# Altium PCB AccessControl_V1.0.1.PcbDoc (part 2 of 3) (continued)
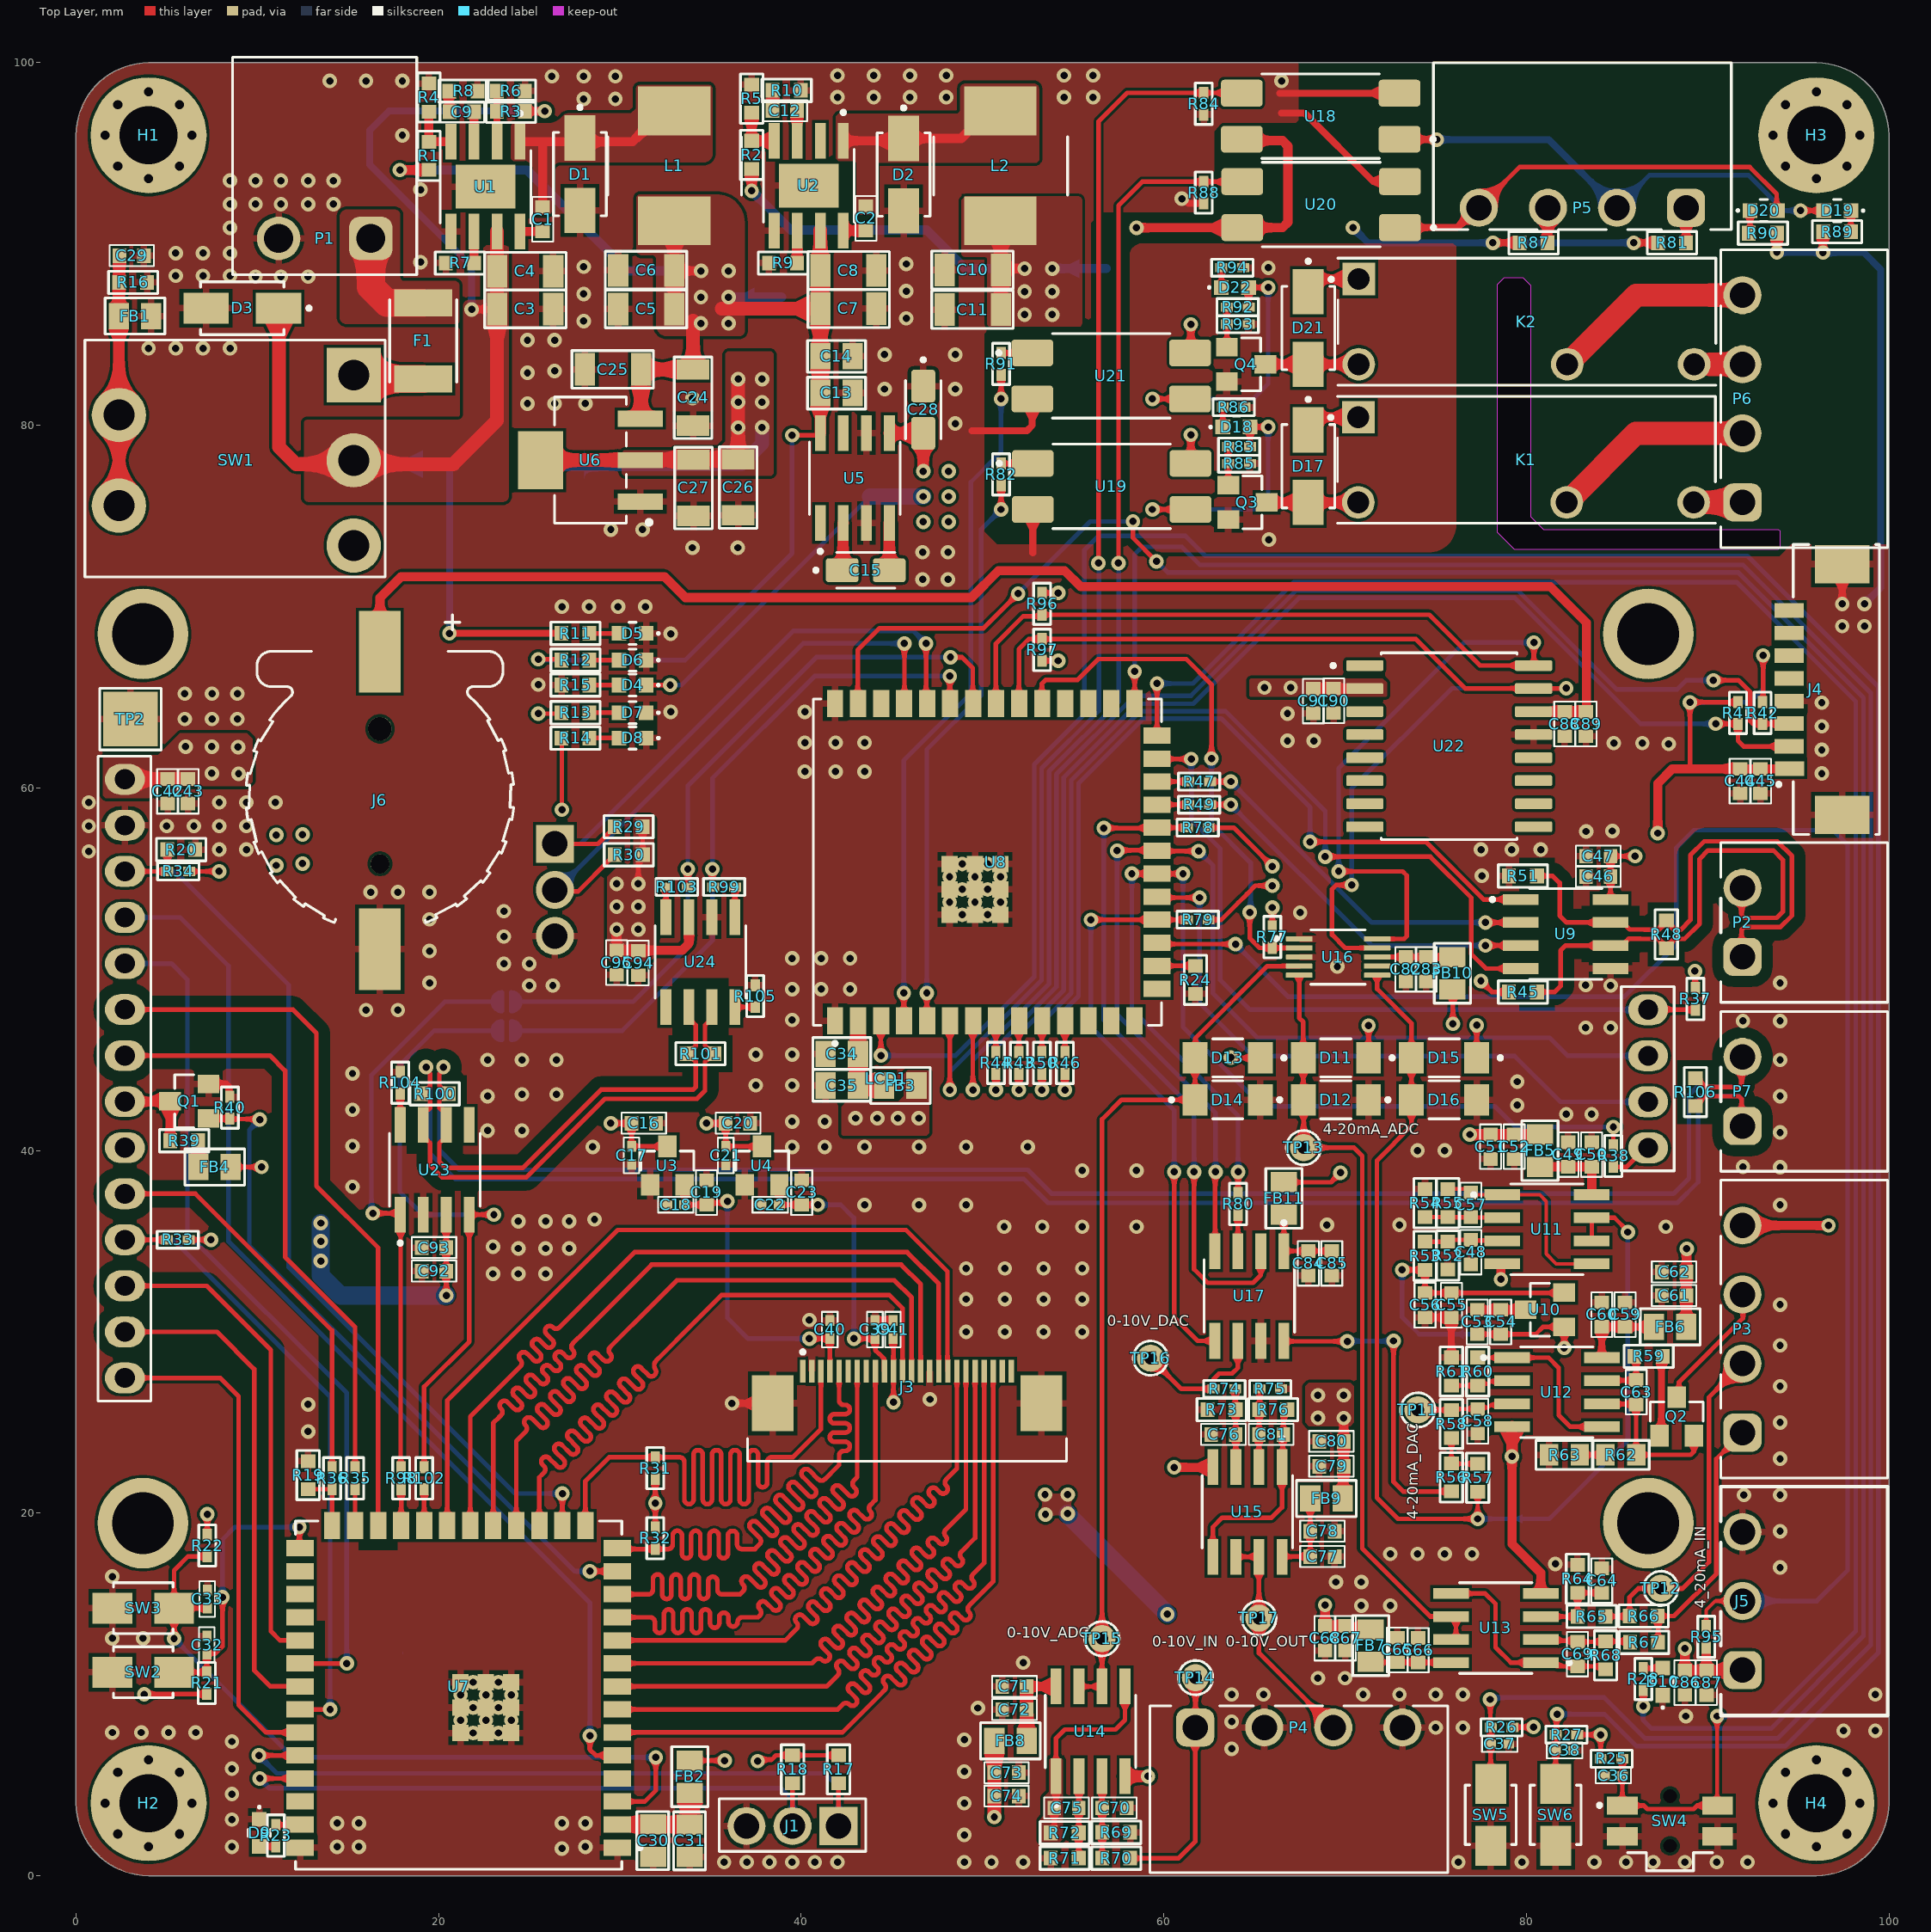
[diagram p0: Top Layer view]
## Nets (pads, with @x,y where several pads share a name; then routed paths per layer and width w, separated by ;. In a path a pad name is that pad's centre, name@x,y a point inside that pad or via, vN(x,y) a via of type N, cw(c..) or ccw(c..) an arc to the next point about the centre after c; other vN are vias at no path point) (continued)
  Top Layer w0.381: Q1.2@7.308,43.673 8.275,43.673 8.42,43.527 8.42,43.031 R40.1@8.484,42.967 ; v1(36.185,26.06) J3.SH1@38.42,26.06 ; C39.1@44.069,30.624 C41.1@45.06,30.624 ; 49.425,79.7 52.45,79.7 52.749,79.999 U21.2@52.749,81.458 ; 52.775,72.975 U19.2@52.775,75.362 ; v1(61,92.5) 61.113,92.5 61.376,92.237 R88.1@62.205,92.237 ; 66.402,98.323 U18.2@73.006,98.323 ; 66.5,97.225 67.775,97.225 71.533,93.467 73.011,93.467 U20.2@73.032,93.447 ; C56.1@74.413,30.796 C55.1@75.87,30.796 R61.1@75.87,28.588 ; C53.1@77.292,31.22 C54.1@78.588,31.22 U10.3@79.966,31.22 ; v1(93.824,89.55) R90.1@93.825,90.6 ; v1(96.368,89.532) R89.1@96.368,90.678 ; v1(97.427,70.148) J4.SH2@97.427,72.345
  GND w0.381: 65.575,71.95 65.8,72.175 v1(65.8,73.7)
  Bottom Layer w0.381: v1(93.824,89.55) v1@96.368,89.55 ; v1(96.368,89.532) 98.618,89.532 99.55,88.6 99.55,71.05 v1(98.65,70.15)
  other v1: 35.75,0.75 37,0.75 38.25,0.75 39.5,0.75 40.75,0.75 42,0.75 49,0.75 50.5,0.75 52.25,0.75 76.25,0.75 79.75,0.75 83.75,0.75 85.5,0.75 87,0.75 88.75,0.75 90.5,0.75 92.2,0.75 26.8,1.5 8.6,1.6 14.4,1.6 15.6,1.6 28.1,1.6 49,2.25 14.4,2.9 15.6,2.9 26.8,2.9 28.1,2.9 8.6,3.1 49,4 8.6,4.5 49,5.75 8.6,5.9 63.75,7 8.6,7.4 49,7.5 2,7.9 3.6,7.9 5.1,7.9 6.6,7.9 97.5,8 99.25,8 75,8.175 76.5,8.175 63.75,8.5 88.8,8.8 49.75,9.25 63.75,10 65.5,10 71,10 73,10 75,10 76.5,10 99.25,10 68.5,10.9 70,10.9 52.25,11.75 2,13.1 3.7,13.1 70.9,14.9 72.5,14.9 69.5,16.2 70.9,16.2 2,16.5 94,17 81.6,17.2 72.5,17.75 74,17.75 75.5,17.75 77,17.75 94,19 92,21 94,21 94,23 12.8,24.5 94,25 12.8,26 47.1,26.275 94,27 94,29.25 49.1,30 51.233,30 53.367,30 55.5,30 40.45,30.65 94,31.5 49.1,31.8 51.233,31.8 53.367,31.8 55.5,31.8 23,33.2 24.4,33.2 25.9,33.2 49.1,33.5 51.233,33.5 53.367,33.5 55.5,33.5 24.4,34.6 25.9,34.6 27.2,34.6 23,34.7 51.2,35.8 53.3,35.8 55.5,35.8 58.5,35.8 87.7,35.8 69,35.9 73,35.9 24.4,36.1 25.9,36.1 27.2,36.1 28.6,36.2 43.5,37 46.5,37 49.1,37 94,37 15.25,38 55.5,38.9 58.5,38.9 94,39.075 91.95,39.1 74,40 75.5,40 28.5,40.2 39.5,40.2 41.3,40.2 43.5,40.2 46.5,40.2 49.1,40.2 52.5,40.2 15.25,40.25 94,41 22.7,41.1 24.6,41.1 39.5,41.6 41.3,41.6 82.2,42 83.6,42 15.25,42.25 79.5,42.5 22.7,43 94,43 24.6,43.1 26.5,43.1 37.5,43.6 39.5,43.6 79.5,43.8 15.25,44.25 22.7,45 24.6,45 26.5,45 94,45 37.5,45.3 39.5,45.3 83.275,46.775 84.65,46.775 91.95,47.15 94,47.15 39.5,47.2 16,47.75 17.75,47.75 39.5,48.9 41.1,48.9 42.7,48.9 25,49.1 26.3,49.1 84.65,49.1 83.275,49.125 19.5,49.25 94,49.25 69.575,50.15 23.6,50.3 25,50.3 39.5,50.6 41.1,50.6 42.7,50.6 19.5,51 23.6,51.8 19.5,52.75 67.525,53.125 23.6,53.2 16.25,54.25 17.75,54.25 19.5,54.25 77.55,55.15 0.7,56.5 7.9,56.6 9.4,56.6 77.5,56.6 79.2,56.6 80.8,56.6 83.3,57.6 84.75,57.625 0.7,57.9 5,57.9 6.5,57.9 7.9,57.9 9.4,57.9 0.7,59.2 7.9,59.2 9.4,59.2 11,59.2 96.3,60.8 40.2,60.9 41.9,60.9 43.5,60.9 96.3,62.1 87.85,62.425 84.825,62.475 86.4,62.475 40.2,62.5 41.9,62.5 43.5,62.5 66.825,62.6 68.275,62.6 96.3,63.4 6,63.8 7.5,63.8 8.9,63.8 66.825,64.1 32.8,64.2 40.2,64.2 96.3,64.7 6,65.2 7.5,65.2 8.9,65.2 25.5,65.7 32.8,68.5 97.425,68.925 98.65,68.925 26.8,70 28.3,70 29.9,70 31.4,70 46.7,71.5 48.1,71.5 46.7,73 48.1,73 34,73.25 36.5,73.25 29.5,74.25 31.25,74.25 48.5,80.1 24.9,81.2 26.4,81.2 28.1,81.2 34,81.5 44.6,82 48.5,82 24.9,82.9 26.4,83 44.6,83.9 48.5,83.9 4,84.25 5.5,84.25 7,84.25 8.5,84.25 24.9,84.7 26.4,84.7 28,85.75 45.8,85.9 28,87.25 45.8,87.4 9.9,88.2 11.3,88.2 12.8,88.2 5.5,88.25 7,88.25 8.5,88.25 65.772,88.697 28,88.75 45.8,88.9 19,89 5.5,89.5 7,89.5 8.5,89.5 8.5,90.9 8.5,92.2 9.9,92.2 11.3,92.2 12.8,92.2 14.2,92.2 19,93 8.5,93.5 9.9,93.5 11.3,93.5 12.8,93.5 14.2,93.5 18,96 28,98 29.75,98 42,98.1 44,98.1 46,98.1 48,98.1 54.5,98.1 56.1,98.1 14,99 16,99 18,99 66.5,99 26.25,99.25 28,99.25 29.75,99.25 42,99.3 44,99.3 46,99.3 48,99.3 54.5,99.3 56.1,99.3
LCD_BL: LCD1.8 Q1.3 R39.1 | length 4.7
  Top Layer w0.508: LCD1.8@2.692,42.697 5.163,42.697 Q1.3@5.188,42.723 5.194,42.717 R39.1@5.194,40.538
NetC1_1: C1.1 U1.8 | length 1.2
  Top Layer w0.508: U1.8@24.494,90.692 C1.1@25.738,90.692
NetC1_2: C1.2 D1.1 L1.1 U1.1 | length 12.8
  Top Layer w0.508: U1.1@24.494,95.642 25.737,95.642 ; C1.2@25.738,92.042 25.738,95.641 25.737,95.642 ; L1.1@33.003,97.259 32.276,97.259 31.257,96.239 31.257,96.196 30.702,95.642 25.737,95.642
NetC2_1: C2.1 U2.8 | length 1.2
  Top Layer w0.508: U2.8@42.324,90.743 C2.1@43.569,90.743
NetC2_2: C2.2 D2.1 L2.1 U2.1 | length 9.3
  Top Layer w0.508: U2.1@42.324,95.693 45.517,95.693 D2.1@45.652,95.828 48.828,95.828 50.336,97.335 L2.1@50.986,97.335
NetC9_1: C9.1 R8.2 | length 1.1
  Top Layer w0.381: C9.1@20.595,97.302 20.599,97.307 20.599,98.432 R8.2@20.595,98.436
NetC9_2: C9.2 U1.3 | length 1.7
  Top Layer w0.508: U1.3@21.954,95.642 C9.2@21.954,97.293
NetC12_1: C12.1 R10.2 | length 1.1
  Top Layer w0.508: C12.1@38.424,97.358 38.425,97.359 R10.2@38.426,98.476 R10.2@38.426,98.476
NetC12_2: C12.2 U2.3 | length 1.7
  Top Layer w0.508: C12.2@39.774,97.358 39.779,97.353 39.779,95.698 U2.3@39.784,95.693
NetC15_1: C15.1 U5.2 | length 2.6
  Top Layer w0.635: C15.1@42.261,72.009 42.307,72.055 42.307,74.597 U5.2@42.324,74.614
NetC15_2: C15.2 U5.4 | length 2.6
  Top Layer w0.635: C15.2@44.861,72.009 44.863,72.011 44.863,74.612 U5.4@44.864,74.614
NetC29_2: C29.2 FB1.1 R16.2 SW1.SH | length 13.8
  Top Layer w0.635: SW1.SH@2.366,75.57 SW1.SH@2.366,80.57 2.366,86.023 FB1.1@2.359,86.03 2.359,87.869 R16.2@2.375,87.884 2.375,89.334 C29.2@2.398,89.357
NetC30_2: C30.2 C31.2 FB2.1 U7.2 | length 5.8
  Top Layer w0.762: U7.2@29.859,2.824 U7.2@29.859,2.824 31.825,2.826 C30.2@31.826,2.827 31.83,2.823 33.854,2.823 C31.2@33.858,2.819 FB2.1@33.858,4.569
NetC34_2: C34.2 C35.2 FB3.1 U8.2 | length 5
  Top Layer w0.762: U8.2@43.12,47.154 43.128,47.145 43.128,43.595 C35.2@43.137,43.586 FB3.1@44.577,43.586
NetC48_1: C48.1 R52.1 R53.2 U11.3 | length 4.3
  Top Layer w0.254: R53.2@74.413,34.97 75.657,34.97 R52.1@75.67,34.982 75.759,35.071 C48.1@76.941,35.071 76.967,35.046 78.635,35.046 U11.3@78.661,35.02
NetC57_1: C57.1 R54.2 R55.1 U11.2 | length 4.3
  Top Layer w0.254: R54.2@74.413,36.329 R55.1@75.67,36.329 75.672,36.327 C57.1@76.941,36.327 76.96,36.309 78.643,36.309 U11.2@78.661,36.29
NetC57_2: C57.2 R55.2 U11.1 U11.5 | length 11.3
  Top Layer w0.203: R55.2@75.67,37.878 76.74,37.878 C57.2@76.941,37.677 77.058,37.56 U11.1@78.661,37.56 80.74,37.56 81.1,37.2 81.1,34.3 81.65,33.75 U11.5@83.611,33.75
NetC58_2: C58.2 R58.2 TP11.1 U12.3 | length 5.3
  Top Layer w0.203: TP11.1@74.016,25.692 R58.2@75.87,25.692 75.922,25.745 C58.2@77.318,25.745 ; C58.2@77.343,25.669 77.501,25.827 77.903,25.827 78.041,25.964 79.14,25.964 U12.3@79.211,26.035
NetC63_1: C63.1 Q2.2 R62.2 U12.6 | length 8.6
  Top Layer w0.254: U12.6@84.161,26.035 84.181,26.015 C63.1@86.059,26.015 ; U12.6@84.644,26.162 U12.6@84.664,26.142 ; R62.2@86.059,23.216 C63.1@86.059,25.995 ; R62.2@86.284,23.216 89.066,23.216 89.248,23.398 Q2.2@89.248,24.271
NetC63_2: C63.2 R59.1 U12.7 | length 3.3
  Top Layer w0.254: U12.7@84.161,27.305 84.181,27.325 86.039,27.325 C63.2@86.059,27.345 86.059,28.563 R59.1@85.971,28.651
NetC64_1: C64.1 R64.1 R65.2 U13.3 | length 4.7
  Top Layer w0.254: U13.3@80.794,14.297 82.822,14.297 R65.2@82.825,14.3 R64.1@82.825,15.604 82.827,15.602 C64.1@84.161,15.602
NetC69_1: C69.1 R67.2 R68.1 U13.2 | length 5
  Top Layer w0.254: U13.2@80.794,13.027 80.857,12.963 82.762,12.963 C69.1@82.825,12.9 84.35,12.9 R68.1@84.375,12.925 85.672,12.925 R67.2@85.722,12.875
NetC69_2: C69.2 R68.2 U13.1 U13.5 | length 11.7
  Top Layer w0.254: U13.5@75.844,15.567 77.733,15.567 78.3,15 78.3,12.6 79.143,11.757 U13.1@80.794,11.757 81.479,11.757 81.686,11.55 C69.2@82.825,11.55 84.2,11.55 R68.2@84.375,11.375
NetC70_1: C70.1 R69.1 R70.2 U14.3 | length 4.5
  Top Layer w0.254: U14.3@56.594,5.489 56.599,5.483 56.599,3.742 C70.1@56.605,3.736 56.605,2.392 R69.1@56.607,2.39 R70.2@56.607,0.968
NetC75_1: C75.1 R71.2 R72.1 U14.2 | length 4.5
  Top Layer w0.254: R71.2@55.311,0.968 R72.1@55.311,2.365 55.313,2.366 C75.1@55.313,3.736 55.319,3.742 55.319,5.483 U14.2@55.324,5.489
NetC75_2: C75.2 R72.2 U14.1 U14.5 | length 11.4
  Top Layer w0.254: R72.2@53.762,2.365 53.963,2.566 C75.2@53.963,3.736 54.054,3.827 54.054,7.574 54.543,8.063 57.337,8.063 57.864,8.59 U14.5@57.864,10.439
NetC76_1: C76.1 R73.1 R74.2 U15.3 | length 4.3
  Top Layer w0.254: R74.2@63.946,26.854 63.946,25.73 R73.1@63.968,25.708 63.97,25.706 C76.1@63.97,24.336 63.975,24.331 63.975,22.549 U15.3@63.981,22.544
NetC81_1: C81.1 R75.2 R76.1 U15.2 | length 4.3
  Top Layer w0.254: U15.2@65.251,22.544 C81.1@65.251,24.336 ; C81.1@65.263,24.349 R76.1@65.263,25.708 65.289,25.733 R75.2@65.289,26.841
NetC81_2: C81.2 R76.2 U15.1 U15.5 | length 11.4
  Top Layer w0.254: U15.5@62.711,17.594 62.711,19.236 63.225,19.75 65.95,19.75 66.521,20.321 U15.1@66.521,22.544 66.561,22.584 66.561,24.296 C81.2@66.601,24.336 66.601,25.496 R76.2@66.813,25.708
NetC82_2: C82.2 C83.2 FB10.1 U16.8 | length 4.1
  Top Layer w0.254: U16.8@71.771,50.673 C82.2@73.355,50.673 C83.2@74.473,50.673 FB10.1@75.921,50.673
NetC84_2: C84.2 C85.2 FB11.1 U17.1 | length 4.7
  Top Layer w0.254: FB11.1@66.626,36.47 U17.1@66.626,34.452 66.629,34.455 C84.2@67.973,34.455 C85.2@69.268,34.455
NetC88_2: C88.2 C89.2 J6.P U22.14 | length 80.1
  Top Layer w0.508: J6.P@16.764,67.513 16.764,70.492 17.925,71.653 32.461,71.653 33.615,70.5 49.393,70.5 50.876,71.984 54.534,71.984 55.417,71.1 81.325,71.1 83.312,69.114 C89.2@83.312,64.2 ; U22.14@80.398,64.211 80.403,64.206 82.113,64.206 C88.2@82.118,64.2 C89.2@83.287,64.2
NetD4_A: D4.A R15.1 | length 1.6
  Top Layer w0.254: R15.1@28.325,65.675 D4.A@29.95,65.675
NetD5_A: D5.A R11.1 | length 1.6
  Top Layer w0.254: R11.1@28.325,68.525 D5.A@29.95,68.525
NetD6_A: D6.A R12.1 | length 1.6
  Top Layer w0.254: R12.1@28.325,67.05 D6.A@29.95,67.05
NetD7_A: D7.A R13.1 | length 1.6
  Top Layer w0.254: R13.1@28.325,64.15 D7.A@29.95,64.15
NetD8_A: D8.A R14.1 | length 1.6
  Top Layer w0.254: R14.1@28.325,62.75 D8.A@29.95,62.75
NetD9_A: D9.A R23.2 | length 0.9
  Top Layer w0.254: D9.A@10.109,1.614 R23.2@11.024,1.614
NetD10_A: D10.A R28.2 | length 1.1
  Top Layer w0.254: R28.2@86.45,11.45 D10.A@87.525,11.45
NetD11_A: D11.A D12.C TP13.1 U13.6 U13.7 U16.5 | length 42.7
  Top Layer w0.254: U16.5@67.471,49.673 67.471,47.318 67.694,47.095 D11.A@67.694,45.11 D12.C@67.694,42.799 67.716,42.777 TP13.1@67.716,40.157 70.493,40.157 70.95,39.7 70.95,18.05 74.703,14.297 76.119,14.297 U13.7@76.119,13.027
NetD13_A: D13.A D14.C TP15.1 U14.6 U14.7 U16.4 | length 48.9
  Top Layer w0.254: U14.7@55.324,10.439 U14.6@56.594,10.439 56.594,41.719 57.674,42.799 D14.C@61.725,42.799 D13.A@61.725,45.11 61.752,45.137 61.752,46.208 65.718,50.173 U16.4@67.471,50.173
NetD17_2: D17.2 K1.2 Q3.3 | length 5.1
  Top Layer w0.508: Q3.3@65.678,75.749 D17.2@67.97,75.749 K1.2@70.73,75.749
NetD18_A: D18.A R83.1 U19.3 | length 14.7
  Top Layer w0.254: v1(59.375,75.362) U19.3@61.475,75.362 ; R83.1@64.758,78.822 D18.A@64.758,79.654 ; D18.A@64.783,79.629 D18.A@64.758,79.654 ; v1(65.761,79.908) D18.A@64.758,79.908 D18.A@64.758,79.654
  Bottom Layer w0.254: v1(59.375,75.362) 64.973,75.362 65.761,76.149 v1(65.761,79.908)
NetD18_C: D18.C R86.2 | length 1.1
  Top Layer w0.254: D18.C@63.258,79.908 R86.2@63.258,81.001
NetD19_A: D19.A P5.2 U18.1 | length 26.5
  Top Layer w0.254: v1(95.123,91.846) D19.A@96.405,91.846
  Top Layer w0.381: U18.1@73.006,95.783 73.019,95.771 75.044,95.771 v1(75.057,95.758)
  Bottom Layer w0.254: P5.2@85,92 86.802,93.802 92.253,93.802 94.209,91.846 v1(95.123,91.846)
  Bottom Layer w0.381: v1(75.057,95.758) 81.242,95.758 P5.2@85,92
NetD19_C: D19.C R89.2 | length 1.2
  Top Layer w0.254: D19.C@97.905,91.846 97.905,90.69 R89.2@97.917,90.678
NetD20_A: D20.A P5.4 U20.1 | length 23.7
  Top Layer w0.254: P5.4@77.38,92 79.63,94.25 92.325,94.25 93.811,92.764 93.811,91.881 D20.A@93.843,91.85
  Top Layer w0.381: U20.1@73.032,90.907 76.18,90.907 77.274,92 P5.4@77.38,92
NetD20_C: D20.C R90.2 | length 1.3
  Top Layer w0.254: R90.2@92.275,90.6 92.343,90.667 D20.C@92.343,91.85
NetD21_2: D21.2 K2.2 Q4.3 | length 5.2
  Top Layer w0.508: Q4.3@65.601,83.369 D21.2@67.97,83.369 K2.2@70.756,83.369
NetD22_A: D22.A R92.1 U21.3 | length 16.3
  Top Layer w0.254: v1(59.375,81.458) U21.3@61.449,81.458 ; R92.1@64.681,86.519 D22.A@64.681,87.605 v1(65.761,87.605)
  Bottom Layer w0.254: v1(59.375,81.458) 64.922,81.458 65.761,82.296 v1(65.761,87.605)
NetD22_C: D22.C R94.2 | length 1.1
  Top Layer w0.254: D22.C@63.181,87.605 R94.2@63.181,88.697
NetF1_1: F1.1 P1.1 | length 5.9
  Top Layer w1.524: P1.1@16.256,90.31 16.256,87.651 17.149,86.758 F1.1@19.152,86.758
NetF1_2: F1.2 SW1.1 | length 3.8
  Top Layer w1.524: SW1.1@15.316,82.558 F1.2@19.152,82.558
NetFB4_2: FB4.2 R39.2 | length 1.5
  Top Layer w0.254: R39.2@6.744,40.538 R39.2@6.754,40.528
  Top Layer w0.381: R39.2@6.744,40.538 R39.2@6.745,40.54
  Top Layer w0.508: FB4.2@6.754,39.091 R39.2@6.754,40.528
NetJ3_3: J3.3 R31.1 U7.15 | length 44.8
  Top Layer w0.254: U7.15@28.094,19.314 28.094,21.769 29.404,23.079 R31.1@31.953,23.079 32.665,23.079 32.792,23.079 33.3,23.08 cw(c33.3,22.826) 33.554,22.826 33.554,20.75 ccw(c33.808,20.75) 34.062,20.75 34.062,23.227 cw(c34.316,23.227) 34.57,23.227 34.57,20.75 ccw(c34.824,20.75) 35.078,20.75 35.078,23.227 cw(c35.332,23.227) 35.586,23.227 35.586,20.75 ccw(c35.84,20.75) 36.094,20.75 36.094,23.227 cw(c36.348,23.227) 36.602,23.227 36.602,20.75 ccw(c36.856,20.75) 37.11,20.75 37.11,23.227 cw(c37.364,23.227) 37.618,23.227 37.618,21.684 ccw(c37.872,21.684) 38.126,21.684 38.126,22.834 cw(c38.38,22.834) 38.38,23.088 39.421,23.089 39.548,23.089 41.09,24.631 J3.3@41.09,27.835
NetJ3_5: J3.5 R32.1 U7.14 | length 44.8
  Top Layer w0.254: U7.14@29.879,18.044 U7.14@29.859,18.064 29.905,18.018 R32.1@31.953,18.018 32.532,18.018 32.659,18.018 ccw(c32.659,18.272) 32.913,18.272 32.913,18.776 cw(c33.167,18.776) 33.421,18.776 33.421,17.764 ccw(c33.675,17.764) 33.929,17.764 33.929,18.776 cw(c34.183,18.776) 34.437,18.776 34.437,17.764 ccw(c34.691,17.764) 34.945,17.764 34.945,18.776 cw(c35.199,18.776) 35.453,18.776 35.453,17.764 ccw(c35.707,17.764) 35.961,17.764 35.961,18.77 cw(c36.215,18.77) 36.469,18.77 36.469,18.272 ccw(c36.723,18.272) 36.723,18.018 37.172,18.018 37.449,18.018 37.618,18.187 37.708,18.277 ccw(c37.529,18.457) 37.708,18.636 37.215,19.13 cw(c37.395,19.309) 37.215,19.489 cw(c37.395,19.309) 37.574,19.489 38.237,18.827 ccw(c38.416,19.006) 38.596,18.827 ccw(c38.416,19.006) 38.596,19.186 37.933,19.848 cw(c38.113,20.028) 37.933,20.207 cw(c38.113,20.028) 38.293,20.207 38.955,19.545 ccw(c39.135,19.725) 39.314,19.545 ccw(c39.135,19.725) 39.314,19.904 38.652,20.567 cw(c38.831,20.746) 38.652,20.926 cw(c38.831,20.746) 39.011,20.926 39.673,20.263 ccw(c39.853,20.443) 40.033,20.263 ccw(c39.853,20.443) 40.033,20.623 39.37,21.285 cw(c39.55,21.465) 39.37,21.644 cw(c39.55,21.465) 39.729,21.644 40.392,20.982 ccw(c40.572,21.161) 40.751,20.982 ccw(c40.572,21.161) 40.751,21.341 40.089,22.003 cw(c40.268,22.183) 40.089,22.363 cw(c40.268,22.183) 40.448,22.363 40.941,21.869 ccw(c41.121,22.049) 41.3,21.869 41.971,22.54 42.09,22.659 42.09,23.175 cw(c42.344,23.175) 42.344,23.429 42.43,23.429 ccw(c42.43,23.683) 42.43,23.937 41.836,23.937 cw(c41.836,24.191) 41.836,24.445 42.43,24.445 ccw(c42.43,24.699) 42.43,24.953 41.836,24.953 cw(c41.836,25.207) 41.836,25.461 42.43,25.461 ccw(c42.43,25.715) 42.43,25.969 42.344,25.969 cw(c42.344,26.223) 42.09,26.223 42.09,26.844 J3.5@42.09,27.835
NetJ3_7: J3.7 U7.12 | length 44.8
  Top Layer w0.254: U7.12@29.859,15.524 31.443,15.524 31.57,15.524 ccw(c31.57,15.778) 31.824,15.778 31.824,16.366 cw(c32.078,16.366) 32.332,16.366 32.332,15.521 ccw(c32.586,15.521) 32.84,15.521 32.84,16.366 cw(c33.094,16.366) 33.348,16.366 33.348,15.521 ccw(c33.602,15.521) 33.856,15.521 33.856,16.366 cw(c34.11,16.366) 34.364,16.366 34.364,15.521 ccw(c34.618,15.521) 34.872,15.521 34.872,16.238 cw(c35.126,16.238) 35.38,16.238 35.38,15.778 ccw(c35.634,15.778) 35.634,15.524 36.631,15.524 36.711,15.603 36.8,15.693 ccw(c36.621,15.873) 36.8,16.052 36.778,16.075 cw(c36.958,16.254) 36.778,16.434 cw(c36.958,16.254) 37.137,16.434 37.594,15.977 ccw(c37.774,16.156) 37.954,15.977 ccw(c37.774,16.156) 37.954,16.336 37.496,16.793 cw(c37.676,16.973) 37.496,17.152 cw(c37.676,16.973) 37.856,17.152 38.313,16.695 ccw(c38.492,16.875) 38.672,16.695 ccw(c38.492,16.875) 38.672,17.054 38.215,17.512 cw(c38.394,17.691) 38.215,17.871 cw(c38.394,17.691) 38.574,17.871 39.031,17.414 ccw(c39.211,17.593) 39.39,17.414 ccw(c39.211,17.593) 39.39,17.773 38.933,18.23 cw(c39.113,18.41) 38.933,18.589 cw(c39.113,18.41) 39.292,18.589 39.75,18.132 ccw(c39.929,18.312) 40.109,18.132 ccw(c39.929,18.312) 40.109,18.491 39.652,18.948 cw(c39.831,19.128) 39.652,19.308 cw(c39.831,19.128) 40.011,19.308 40.468,18.85 ccw(c40.648,19.03) 40.827,18.85 ccw(c40.648,19.03) 40.827,19.21 40.37,19.667 cw(c40.55,19.846) 40.37,20.026 cw(c40.55,19.846) 40.729,20.026 41.187,19.569 ccw(c41.366,19.748) 41.546,19.569 ccw(c41.366,19.748) 41.546,19.928 41.089,20.385 cw(c41.268,20.565) 41.089,20.744 cw(c41.268,20.565) 41.448,20.744 41.905,20.287 ccw(c42.085,20.467) 42.264,20.287 ccw(c42.085,20.467) 42.264,20.646 41.807,21.104 cw(c41.987,21.283) 41.807,21.463 cw(c41.987,21.283) 42.166,21.463 42.623,21.006 ccw(c42.803,21.185) 42.983,21.006 ccw(c42.803,21.185) 42.983,21.365 42.907,21.44 cw(c43.087,21.62) 42.907,21.8 43.09,21.983 43.09,22.864 J3.7@43.09,27.835
NetJ3_9: J3.9 U7.11 | length 44.8
  Top Layer w0.254: U7.11@29.859,14.254 31.036,14.254 31.671,14.254 cw(c31.671,14) 31.925,14 31.925,13.644 ccw(c32.179,13.644) 32.433,13.644 32.433,14.433 cw(c32.687,14.433) 32.941,14.433 32.941,13.644 ccw(c33.195,13.644) 33.449,13.644 33.449,14.433 cw(c33.703,14.433) 33.957,14.433 33.957,13.644 ccw(c34.211,13.644) 34.465,13.644 34.465,14.433 cw(c34.719,14.433) 34.973,14.433 34.973,13.935 ccw(c35.227,13.935) 35.481,13.935 35.481,14.254 cw(c35.735,14.254) 35.989,14.254 35.989,14 ccw(c36.243,14) 36.497,14 cw(c36.751,14) 36.751,14.254 37.186,14.254 37.622,14.254 37.712,14.344 ccw(c37.532,14.523) 37.712,14.703 cw(c37.891,14.883) 37.712,15.062 cw(c37.891,14.883) 38.071,15.062 38.43,14.703 ccw(c38.61,14.883) 38.789,14.703 ccw(c38.61,14.883) 38.789,15.062 38.43,15.421 cw(c38.61,15.601) 38.43,15.781 cw(c38.61,15.601) 38.789,15.781 39.149,15.421 ccw(c39.328,15.601) 39.508,15.421 ccw(c39.328,15.601) 39.508,15.781 39.149,16.14 cw(c39.328,16.319) 39.149,16.499 cw(c39.328,16.319) 39.508,16.499 39.867,16.14 ccw(c40.047,16.319) 40.226,16.14 ccw(c40.047,16.319) 40.226,16.499 39.867,16.858 cw(c40.047,17.038) 39.867,17.217 cw(c40.047,17.038) 40.226,17.217 40.585,16.858 ccw(c40.765,17.038) 40.945,16.858 ccw(c40.765,17.038) 40.945,17.217 40.585,17.577 cw(c40.765,17.756) 40.585,17.936 cw(c40.765,17.756) 40.945,17.936 41.304,17.577 ccw(c41.484,17.756) 41.663,17.577 ccw(c41.484,17.756) 41.663,17.936 41.304,18.295 cw(c41.484,18.475) 41.304,18.654 cw(c41.484,18.475) 41.663,18.654 42.022,18.295 ccw(c42.202,18.475) 42.382,18.295 ccw(c42.202,18.475) 42.382,18.654 42.022,19.014 cw(c42.202,19.193) 42.022,19.373 cw(c42.202,19.193) 42.382,19.373 42.741,19.014 ccw(c42.92,19.193) 43.1,19.014 ccw(c42.92,19.193) 43.1,19.373 42.741,19.732 cw(c42.92,19.912) 42.741,20.091 cw(c42.92,19.912) 43.1,20.091 43.459,19.732 ccw(c43.639,19.912) 43.818,19.732 ccw(c43.639,19.912) 43.818,20.091 cw(c43.998,20.271) 43.818,20.45 44.09,20.722 J3.9@44.09,27.835
NetJ3_12: J3.12 U7.17 | length 44.8
  Top Layer w0.254: U7.17@25.554,19.314 25.554,21.973 25.724,22.143 25.814,22.232 ccw(c25.634,22.412) 25.814,22.592 25.732,22.673 cw(c25.912,22.853) 25.732,23.032 cw(c25.912,22.853) 26.091,23.032 26.532,22.592 ccw(c26.712,22.771) 26.891,22.592 ccw(c26.712,22.771) 26.891,22.951 26.451,23.392 cw(c26.63,23.571) 26.451,23.751 cw(c26.63,23.571) 26.81,23.751 27.251,23.31 ccw(c27.43,23.49) 27.61,23.31 ccw(c27.43,23.49) 27.61,23.669 27.169,24.11 cw(c27.349,24.29) 27.169,24.469 cw(c27.349,24.29) 27.528,24.469 27.969,24.028 ccw(c28.149,24.208) 28.328,24.028 ccw(c28.149,24.208) 28.328,24.388 27.888,24.828 cw(c28.067,25.008) 27.888,25.188 cw(c28.067,25.008) 28.247,25.188 28.688,24.747 ccw(c28.867,24.927) 29.047,24.747 ccw(c28.867,24.927) 29.047,25.106 28.606,25.547 cw(c28.786,25.727) 28.606,25.906 cw(c28.786,25.727) 28.965,25.906 29.406,25.465 ccw(c29.586,25.645) 29.765,25.465 ccw(c29.586,25.645) 29.765,25.825 29.324,26.265 cw(c29.504,26.445) 29.324,26.625 cw(c29.504,26.445) 29.684,26.625 30.124,26.184 ccw(c30.304,26.363) 30.484,26.184 ccw(c30.304,26.363) 30.484,26.543 30.043,26.984 cw(c30.222,27.163) 30.043,27.343 cw(c30.222,27.163) 30.402,27.343 30.843,26.902 ccw(c31.022,27.082) 31.202,26.902 ccw(c31.022,27.082) 31.202,27.261 30.809,27.654 cw(c30.989,27.834) 30.809,28.014 cw(c30.989,27.834) 31.168,28.014 31.561,27.621 ; 31.561,27.621 ccw(c31.741,27.8) 31.92,27.621 ; 31.92,27.621 ccw(c31.741,27.8) 31.92,27.98 cw(c32.326,28.132) 32.018,28.437 32.1,28.519 34.103,30.521 35.611,32.029 44.856,32.029 45.59,31.296 J3.12@45.59,27.835
NetJ3_13: J3.13 U7.18 | length 44.8
  Top Layer w0.254: U7.18@24.284,19.314 24.284,23.979 24.704,24.399 24.794,24.489 ccw(c24.614,24.669) 24.794,24.848 cw(c24.973,25.028) 24.794,25.207 cw(c24.973,25.028) 25.153,25.207 25.581,24.78 ccw(c25.761,24.959) 25.94,24.78 ccw(c25.761,24.959) 25.94,25.139 25.512,25.567 cw(c25.692,25.746) 25.512,25.926 cw(c25.692,25.746) 25.871,25.926 26.299,25.498 ccw(c26.479,25.678) 26.659,25.498 ccw(c26.479,25.678) 26.659,25.857 26.231,26.285 cw(c26.41,26.465) 26.231,26.644 cw(c26.41,26.465) 26.59,26.644 27.018,26.216 ccw(c27.197,26.396) 27.377,26.216 ccw(c27.197,26.396) 27.377,26.576 26.949,27.004 cw(c27.129,27.183) 26.949,27.363 cw(c27.129,27.183) 27.308,27.363 27.736,26.935 ccw(c27.916,27.114) 28.095,26.935 ccw(c27.916,27.114) 28.095,27.294 27.668,27.722 cw(c27.847,27.902) 27.668,28.081 cw(c27.847,27.902) 28.027,28.081 28.455,27.653 ccw(c28.634,27.833) 28.814,27.653 ccw(c28.634,27.833) 28.814,28.012 28.414,28.413 cw(c28.593,28.592) 28.414,28.772 cw(c28.593,28.592) 28.773,28.772 29.104,28.44 ccw(c29.284,28.62) 29.464,28.44 ccw(c29.284,28.62) 29.464,28.8 cw(c29.643,28.979) 29.464,29.159 31.794,31.489 33.147,32.842 45.136,32.842 46.09,31.888 J3.13@46.09,27.835
NetJ3_14: J3.14 U7.19 | length 44.8
  Top Layer w0.254: U7.19@23.014,19.314 23.014,24.97 23.356,25.312 23.446,25.402 ccw(c23.266,25.581) 23.446,25.761 cw(c23.626,25.941) 23.446,26.12 cw(c23.626,25.941) 23.805,26.12 24.164,25.761 ccw(c24.344,25.941) 24.524,25.761 ccw(c24.344,25.941) 24.524,26.12 24.164,26.479 cw(c24.344,26.659) 24.164,26.839 cw(c24.344,26.659) 24.524,26.839 24.883,26.479 ccw(c25.062,26.659) 25.242,26.479 ccw(c25.062,26.659) 25.242,26.839 24.883,27.198 cw(c25.062,27.377) 24.883,27.557 cw(c25.062,27.377) 25.242,27.557 25.601,27.198 ccw(c25.781,27.377) 25.96,27.198 ccw(c25.781,27.377) 25.961,27.557 25.794,27.723 cw(c25.974,27.903) 25.794,28.083 cw(c25.974,27.903) 26.153,28.083 26.32,27.916 ccw(c26.499,28.096) 26.679,27.916 ccw(c26.499,28.096) 26.679,28.276 26.485,28.47 cw(c26.664,28.649) 26.485,28.829 cw(c26.664,28.649) 26.844,28.829 27.038,28.635 ccw(c27.218,28.814) 27.397,28.635 ccw(c27.218,28.814) 27.397,28.994 cw(c27.577,29.174) 27.397,29.353 28.052,30.008 31.75,33.706 45.517,33.706 46.59,32.632 J3.14@46.59,27.835
NetJ3_16: J3.16 U7.20 | length 44.8
  Top Layer w0.254: U7.20@21.744,19.314 21.744,25.325 24.419,28.001 24.509,28.09 ccw(c24.329,28.27) 24.509,28.45 cw(c24.689,28.629) 24.509,28.809 cw(c24.689,28.629) 24.868,28.809 25.227,28.45 ccw(c25.407,28.629) 25.587,28.45 ccw(c25.407,28.629) 25.587,28.809 25.227,29.168 cw(c25.407,29.348) 25.227,29.527 cw(c25.407,29.348) 25.587,29.527 25.918,29.196 ccw(c26.098,29.376) 26.277,29.196 ccw(c26.098,29.376) 26.277,29.555 25.946,29.886 cw(c26.125,30.066) 25.946,30.246 cw(c26.125,30.066) 26.305,30.246 ccw(c26.485,30.425) 26.664,30.246 27.584,31.166 30.81,34.392 45.847,34.392 47.59,32.648 J3.16@47.59,27.835
NetJ3_17: J3.17 U7.21 | length 44.8
  Top Layer w0.254: U7.21@20.474,19.314 20.474,26.214 29.878,35.618 45.779,35.618 48.067,33.33 48.067,27.858 J3.17@48.09,27.835